# Altium PCB LKS_Motor_0313.PcbDoc (part 1 of 4) (continued)
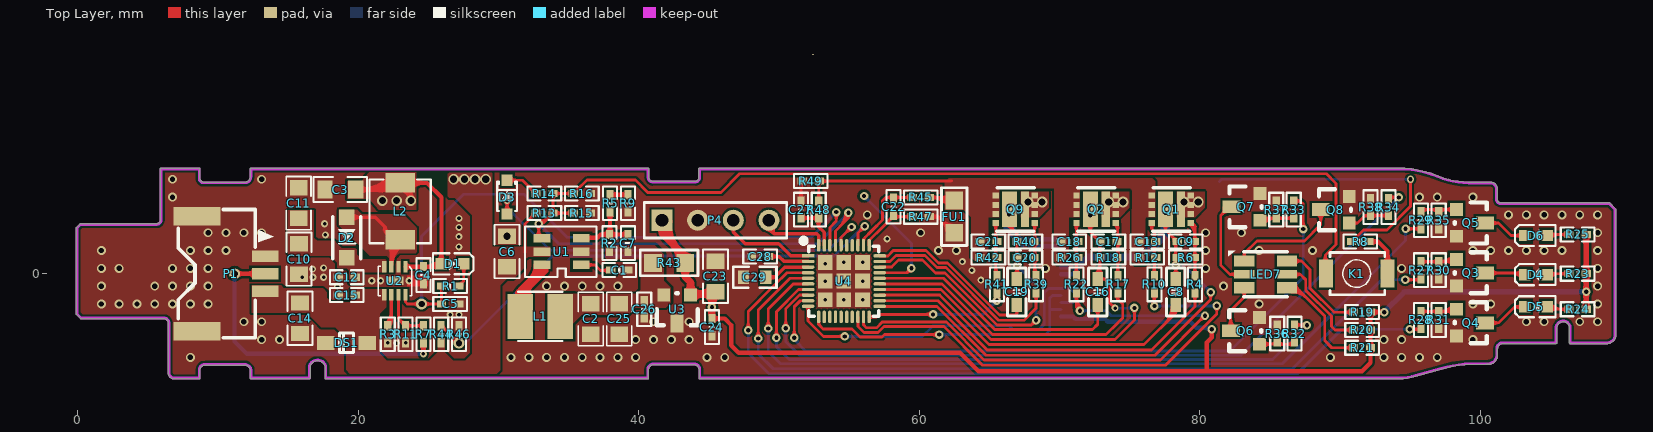
[diagram p0: Top Layer view]
## Nets (pads, with @x,y where several pads share a name; then routed paths per layer and width w, separated by ;. In a path a pad name is that pad's centre, name@x,y a point inside that pad or via, vN(x,y) a via of type N, cw(c..) or ccw(c..) an arc to the next point about the centre after c; other vN are vias at no path point) (continued)
3.3V: C23.2 C24.1 P3.12 P4.1 R19.2 R20.2 R21.2 R23.2 R24.2 R25.2 R43.2 U3.1 | length 156.9
  Top Layer w0.3: C24.1@45.212,-3.2 46.126,-3.2 46.584,-3.658 46.584,-5.105 47.117,-5.639 47.701,-5.639 ; 47.193,-5.639 47.701,-5.639 ; v2(80.848,-3.962) 80.848,-4.547 80.493,-4.902 80.493,-6.934 80.518,-6.96 ; v2(93.142,-2.743) R19.2@92.173,-2.743 R20.2@92.173,-4.013 R21.2@92.173,-5.283 92.173,-6.353 91.567,-6.96 80.518,-6.96 ; 47.701,-5.639 62.89,-5.639 64.211,-6.96 80.518,-6.96 ; v2@80.742,-4.068 cw(c80.486,-4.325) 80.848,-4.325 ; v2@80.742,-4.068 cw(c80.486,-4.325) 80.848,-4.325 ; v2@80.742,-4.068 cw(c80.486,-4.325) 80.848,-4.325 ; v2@80.742,-4.068 cw(c80.486,-4.325) 80.848,-4.325 ; 80.848,-4.325 cw(c81.21,-4.325) v2@80.954,-4.068 ; 80.848,-4.325 cw(c81.21,-4.325) v2@80.954,-4.068 ; 80.848,-4.325 cw(c81.21,-4.325) v2@80.954,-4.068 ; 80.848,-4.325 cw(c81.21,-4.325) v2@80.954,-4.068 ; 92.78,-2.743 cw(c92.78,-3.105) v2@93.036,-2.849 ; 92.78,-2.743 ccw(c92.78,-2.381) v2@93.036,-2.637 ; 92.78,-2.743 cw(c92.78,-3.105) v2@93.036,-2.849 ; 92.78,-2.743 ccw(c92.78,-2.381) v2@93.036,-2.637 ; 92.78,-2.743 cw(c92.78,-3.105) v2@93.036,-2.849 ; 92.78,-2.743 ccw(c92.78,-2.381) v2@93.036,-2.637 ; 92.78,-2.743 cw(c92.78,-3.105) v2@93.036,-2.849 ; 92.78,-2.743 ccw(c92.78,-2.381) v2@93.036,-2.637
  Top Layer w0.4: R24.2@107.544,-2.54 v2(107.544,-1.295) R23.2@107.544,0 R25.2@107.544,2.794
  Top Layer w0.5: U3.1@43.688,-1.524 43.688,-0.61 43.307,-0.229 R43.2@43.307,0.762 43.307,1.219 41.656,2.87 ; U3.1@43.993,-1.448 C23.2@45.796,-1.448 ; C24.1@45.212,-2.946 v2(45.212,-2.388) 45.212,-1.528 C23.2@45.466,-1.274 ; P4.1@41.377,3.395 cw(c41.023,2.87) 41.656,2.87 ; P4.1@41.377,3.395 cw(c41.023,2.87) 41.656,2.87 ; P4.1@41.377,3.395 cw(c41.023,2.87) 41.656,2.87 ; P4.1@41.377,3.395 cw(c41.023,2.87) 41.656,2.87 ; P4.1@41.377,3.395 cw(c41.023,2.87) 41.656,2.87 ; P4.1@41.377,3.395 cw(c41.023,2.87) 41.656,2.87 ; P4.1@41.377,3.395 cw(c41.023,2.87) 41.656,2.87 ; P4.1@41.377,3.395 cw(c41.023,2.87) 41.656,2.87 ; 41.656,2.87 cw(c42.289,2.87) P4.1@41.935,3.395 ; 41.656,2.87 cw(c42.289,2.87) P4.1@41.935,3.395 ; 41.656,2.87 cw(c42.289,2.87) P4.1@41.935,3.395 ; 41.656,2.87 cw(c42.289,2.87) P4.1@41.935,3.395 ; 41.656,2.87 cw(c42.289,2.87) P4.1@41.935,3.395 ; 41.656,2.87 cw(c42.289,2.87) P4.1@41.935,3.395 ; 41.656,2.87 cw(c42.289,2.87) P4.1@41.935,3.395 ; 41.656,2.87 cw(c42.289,2.87) P4.1@41.935,3.395 ; 41.656,2.87 P4.1@41.656,3.81 ; P4.1@41.656,3.81 ccw(c43.308,3.577) 42.128,2.398 ; P4.1@41.656,3.81 ccw(c43.308,3.577) 42.128,2.398 ; P4.1@41.656,3.81 ccw(c43.308,3.577) 42.128,2.398 ; P4.1@41.656,3.81 ccw(c43.308,3.577) 42.128,2.398 ; P4.1@42.151,3.74 ccw(c44.55,3.402) 42.837,1.689 ; P4.1@42.151,3.74 ccw(c44.55,3.402) 42.837,1.689 ; P4.1@42.151,3.74 ccw(c44.55,3.402) 42.837,1.689 ; P4.1@42.151,3.74 ccw(c44.55,3.402) 42.837,1.689 ; 42.326,2.2 cw(c40.889,0.762) R43.2@42.922,0.762 ; 42.326,2.2 cw(c40.889,0.762) R43.2@42.922,0.762 ; 42.326,2.2 cw(c40.889,0.762) R43.2@42.922,0.762 ; 42.326,2.2 cw(c40.889,0.762) R43.2@42.922,0.762 ; R43.2@43.035,0.49 cw(c42.378,-0.167) 43.307,-0.167 ; R43.2@43.035,0.49 cw(c42.378,-0.167) 43.307,-0.167 ; R43.2@43.035,0.49 cw(c42.378,-0.167) 43.307,-0.167 ; R43.2@43.035,0.49 cw(c42.378,-0.167) 43.307,-0.167 ; 43.307,-0.167 cw(c44.236,-0.167) R43.2@43.579,0.49 ; 43.307,-0.167 cw(c44.236,-0.167) R43.2@43.579,0.49 ; 43.307,-0.167 cw(c44.236,-0.167) R43.2@43.579,0.49 ; 43.307,-0.167 cw(c44.236,-0.167) R43.2@43.579,0.49 ; U3.1@43.541,-1.377 ccw(c43.188,-1.024) 43.688,-1.024 ; U3.1@43.541,-1.377 ccw(c43.188,-1.024) 43.688,-1.024 ; U3.1@43.541,-1.377 ccw(c43.188,-1.024) 43.688,-1.024 ; U3.1@43.541,-1.377 ccw(c43.188,-1.024) 43.688,-1.024 ; 43.688,-1.024 ccw(c44.188,-1.024) U3.1@43.835,-1.377 ; 43.688,-1.024 ccw(c44.188,-1.024) U3.1@43.835,-1.377 ; 43.688,-1.024 ccw(c44.188,-1.024) U3.1@43.835,-1.377 ; 43.688,-1.024 ccw(c44.188,-1.024) U3.1@43.835,-1.377 ; U3.1@43.835,-1.671 cw(c44.372,-2.208) 44.372,-1.448 ; U3.1@43.835,-1.671 cw(c44.372,-2.208) 44.372,-1.448 ; U3.1@43.835,-1.671 cw(c44.372,-2.208) 44.372,-1.448 ; U3.1@43.835,-1.671 cw(c44.372,-2.208) 44.372,-1.448 ; 44.238,-1.448 ccw(c44.238,-0.132) C23.2@45.169,-1.062 ; 44.238,-1.448 ccw(c44.238,-0.132) C23.2@45.169,-1.062 ; 44.238,-1.448 ccw(c44.238,-0.132) C23.2@45.169,-1.062 ; 44.238,-1.448 ccw(c44.238,-0.132) C23.2@45.169,-1.062 ; v2@45.212,-2.4 cw(c46.498,-2.4) C23.2@45.592,-1.487 ; v2@45.212,-2.4 cw(c46.498,-2.4) C23.2@45.592,-1.487 ; v2@45.212,-2.4 cw(c46.498,-2.4) C23.2@45.592,-1.487 ; v2@45.212,-2.4 cw(c46.498,-2.4) C23.2@45.592,-1.487
  Bottom Layer w0.3: P3.12@70.104,-3.048 70.942,-3.048 71.12,-3.226 73.228,-3.226 73.431,-3.429 79.324,-3.429 79.756,-3.861 80.747,-3.861 v2(80.848,-3.962) ; 80.241,-3.861 cw(c80.241,-4.57) v2@80.742,-4.068 ; 80.241,-3.861 cw(c80.241,-4.57) v2@80.742,-4.068 ; 80.241,-3.861 cw(c80.241,-4.57) v2@80.742,-4.068 ; 80.241,-3.861 cw(c80.241,-4.57) v2@80.742,-4.068
  Bottom Layer w0.4: v2(93.142,-2.743) 94.59,-1.295 v2(107.544,-1.295)
3RD: R28.2 U4.4 | length 72.7
  Top Layer w0.2: v2(47.803,-4.039) 47.803,-2.692 49.537,-0.958 49.549,-0.958 49.682,-0.826 49.682,-0.813 50.565,0.07 U4.4@52.07,0.07 ; v2(94.971,-3.962) R28.2@95.707,-3.962 ; v2@47.661,-3.897 ccw(c47.32,-3.556) 47.803,-3.556 ; v2@47.661,-3.897 ccw(c47.32,-3.556) 47.803,-3.556 ; v2@47.661,-3.897 ccw(c47.32,-3.556) 47.803,-3.556 ; v2@47.661,-3.897 ccw(c47.32,-3.556) 47.803,-3.556 ; 47.803,-3.556 ccw(c48.286,-3.556) v2@47.944,-3.897 ; 47.803,-3.556 ccw(c48.286,-3.556) v2@47.944,-3.897 ; 47.803,-3.556 ccw(c48.286,-3.556) v2@47.944,-3.897 ; 47.803,-3.556 ccw(c48.286,-3.556) v2@47.944,-3.897 ; v2@95.112,-4.104 cw(c95.453,-4.445) 95.453,-3.962 ; v2@95.112,-4.104 cw(c95.453,-4.445) 95.453,-3.962 ; v2@95.112,-4.104 cw(c95.453,-4.445) 95.453,-3.962 ; v2@95.112,-4.104 cw(c95.453,-4.445) 95.453,-3.962 ; v2@95.112,-3.821 ccw(c95.453,-3.48) 95.453,-3.962 ; v2@95.112,-3.821 ccw(c95.453,-3.48) 95.453,-3.962 ; v2@95.112,-3.821 ccw(c95.453,-3.48) 95.453,-3.962 ; v2@95.112,-3.821 ccw(c95.453,-3.48) 95.453,-3.962 ; 95.325,-3.962 cw(c95.325,-4.421) R28.2@95.649,-4.097 ; 95.325,-3.962 cw(c95.325,-4.421) R28.2@95.649,-4.097 ; 95.325,-3.962 cw(c95.325,-4.421) R28.2@95.649,-4.097 ; 95.325,-3.962 cw(c95.325,-4.421) R28.2@95.649,-4.097 ; 95.448,-3.962 ccw(c95.448,-3.677) R28.2@95.649,-3.879 ; 95.448,-3.962 ccw(c95.448,-3.677) R28.2@95.649,-3.879 ; 95.448,-3.962 ccw(c95.448,-3.677) R28.2@95.649,-3.879 ; 95.448,-3.962 ccw(c95.448,-3.677) R28.2@95.649,-3.879
  Bottom Layer w0.2: v2(47.803,-4.039) 47.803,-5.664 49.276,-7.137 86.944,-7.137 90.119,-3.962 v2(94.971,-3.962) ; v2@47.661,-4.18 cw(c47.32,-4.521) 47.803,-4.521 ; v2@47.661,-4.18 cw(c47.32,-4.521) 47.803,-4.521 ; v2@47.661,-4.18 cw(c47.32,-4.521) 47.803,-4.521 ; v2@47.661,-4.18 cw(c47.32,-4.521) 47.803,-4.521 ; 47.803,-4.521 cw(c48.286,-4.521) v2@47.944,-4.18 ; 47.803,-4.521 cw(c48.286,-4.521) v2@47.944,-4.18 ; 47.803,-4.521 cw(c48.286,-4.521) v2@47.944,-4.18 ; 47.803,-4.521 cw(c48.286,-4.521) v2@47.944,-4.18 ; 94.488,-3.962 cw(c94.488,-4.445) v2@94.829,-4.104 ; 94.488,-3.962 ccw(c94.488,-3.48) v2@94.829,-3.821 ; 94.488,-3.962 cw(c94.488,-4.445) v2@94.829,-4.104 ; 94.488,-3.962 ccw(c94.488,-3.48) v2@94.829,-3.821 ; 94.488,-3.962 cw(c94.488,-4.445) v2@94.829,-4.104 ; 94.488,-3.962 ccw(c94.488,-3.48) v2@94.829,-3.821 ; 94.488,-3.962 cw(c94.488,-4.445) v2@94.829,-4.104 ; 94.488,-3.962 ccw(c94.488,-3.48) v2@94.829,-3.821
BAT_ADC: R44.2 R46.1 U4.33 | length 52.6
  Top Layer w0.2: R44.2@25.908,-3.708 25.908,-3.785 26.062,-3.939 26.138,-3.939 v10@26.897,-4.697 ; 55.62,2.661 U4.33@55.62,2.02 55.62,2.89 v2(56.109,3.378) ; R44.2@25.908,-3.939 cw(c25.908,-4.494) 26.301,-4.101 ; R44.2@25.908,-3.939 cw(c25.908,-4.494) 26.301,-4.101 ; R44.2@25.908,-3.939 cw(c25.908,-4.494) 26.301,-4.101 ; R44.2@25.908,-3.939 cw(c25.908,-4.494) 26.301,-4.101 ; 26.655,-4.455 ccw(c27.178,-3.932) R46.1@27.178,-4.672 ; 26.655,-4.455 ccw(c27.178,-3.932) R46.1@27.178,-4.672 ; 26.655,-4.455 ccw(c27.178,-3.932) R46.1@27.178,-4.672 ; 26.655,-4.455 ccw(c27.178,-3.932) R46.1@27.178,-4.672 ; 26.698,-4.499 ccw(c27.178,-4.019) R46.1@27.178,-4.697 ; 26.698,-4.499 ccw(c27.178,-4.019) R46.1@27.178,-4.697 ; 26.698,-4.499 ccw(c27.178,-4.019) R46.1@27.178,-4.697 ; 26.698,-4.499 ccw(c27.178,-4.019) R46.1@27.178,-4.697 ; 26.716,-4.517 cw(c26.28,-4.953) v10@26.897,-4.953 ; 26.716,-4.517 cw(c26.28,-4.953) v10@26.897,-4.953 ; 26.716,-4.517 cw(c26.28,-4.953) v10@26.897,-4.953 ; 26.716,-4.517 cw(c26.28,-4.953) v10@26.897,-4.953 ; 55.767,3.037 cw(c56.109,2.695) v2@56.109,3.178 ; 55.767,3.037 ccw(c55.426,3.378) v2@55.909,3.378 ; 55.767,3.037 cw(c56.109,2.695) v2@56.109,3.178 ; 55.767,3.037 ccw(c55.426,3.378) v2@55.909,3.378 ; 55.767,3.037 cw(c56.109,2.695) v2@56.109,3.178 ; 55.767,3.037 ccw(c55.426,3.378) v2@55.909,3.378 ; 55.767,3.037 cw(c56.109,2.695) v2@56.109,3.178 ; 55.767,3.037 ccw(c55.426,3.378) v2@55.909,3.378
  Bottom Layer w0.2: v10(27.178,-4.953) 27.233,-4.898 27.686,-4.898 ; v2@55.971,3.316 v2@56.07,3.416 ; v10@27.387,-4.765 ccw(c27.686,-4.495) 27.686,-4.898 ; v10@27.387,-4.765 ccw(c27.686,-4.495) 27.686,-4.898 ; v10@27.387,-4.765 ccw(c27.686,-4.495) 27.686,-4.898 ; v10@27.387,-4.765 ccw(c27.686,-4.495) 27.686,-4.898 ; v10@27.437,-5.062 cw(c27.686,-5.168) 27.686,-4.898 ; v10@27.437,-5.062 cw(c27.686,-5.168) 27.686,-4.898 ; v10@27.437,-5.062 cw(c27.686,-5.168) 27.686,-4.898 ; v10@27.437,-5.062 cw(c27.686,-5.168) 27.686,-4.898 ; 27.686,-4.898 33.853,1.27 53.924,1.27 55.821,3.167 ; 55.637,2.983 cw(c56.109,2.511) v2@56.109,3.178 ; 55.637,2.983 cw(c56.109,2.511) v2@56.109,3.178 ; 55.637,2.983 cw(c56.109,2.511) v2@56.109,3.178 ; 55.637,2.983 cw(c56.109,2.511) v2@56.109,3.178 ; 55.821,3.167 ccw(c55.61,3.378) v2@55.909,3.378 ; 55.821,3.167 ccw(c55.61,3.378) v2@55.909,3.378 ; 55.821,3.167 ccw(c55.61,3.378) v2@55.909,3.378 ; 55.821,3.167 ccw(c55.61,3.378) v2@55.909,3.378
BLUE: R32.2 U4.7 | length 60
  Top Layer w0.2: v2(49.809,-4.572) 49.809,-2.718 51.397,-1.13 U4.7@52.07,-1.13 ; R32.2@86.741,-3.658 v2@87.605,-3.658 ; v2@49.668,-4.431 ccw(c49.327,-4.089) 49.809,-4.089 ; v2@49.668,-4.431 ccw(c49.327,-4.089) 49.809,-4.089 ; v2@49.668,-4.431 ccw(c49.327,-4.089) 49.809,-4.089 ; v2@49.668,-4.431 ccw(c49.327,-4.089) 49.809,-4.089 ; 49.809,-4.089 ccw(c50.292,-4.089) v2@49.951,-4.431 ; 49.809,-4.089 ccw(c50.292,-4.089) v2@49.951,-4.431 ; 49.809,-4.089 ccw(c50.292,-4.089) v2@49.951,-4.431 ; 49.809,-4.089 ccw(c50.292,-4.089) v2@49.951,-4.431 ; R32.2@86.85,-3.766 cw(c87.113,-4.029) 87.113,-3.658 ; R32.2@86.85,-3.766 cw(c87.113,-4.029) 87.113,-3.658 ; R32.2@86.85,-3.766 cw(c87.113,-4.029) 87.113,-3.658 ; R32.2@86.85,-3.766 cw(c87.113,-4.029) 87.113,-3.658 ; R32.2@86.85,-3.549 ccw(c87.113,-3.286) 87.113,-3.658 ; R32.2@86.85,-3.549 ccw(c87.113,-3.286) 87.113,-3.658 ; R32.2@86.85,-3.549 ccw(c87.113,-3.286) 87.113,-3.658 ; R32.2@86.85,-3.549 ccw(c87.113,-3.286) 87.113,-3.658 ; 87.086,-3.658 cw(c87.086,-4.227) v2@87.489,-3.824 ; 87.086,-3.658 cw(c87.086,-4.227) v2@87.489,-3.824 ; 87.086,-3.658 cw(c87.086,-4.227) v2@87.489,-3.824 ; 87.086,-3.658 cw(c87.086,-4.227) v2@87.489,-3.824 ; 87.208,-3.658 ccw(c87.208,-3.261) v2@87.489,-3.542 ; 87.208,-3.658 ccw(c87.208,-3.261) v2@87.489,-3.542 ; 87.208,-3.658 ccw(c87.208,-3.261) v2@87.489,-3.542 ; 87.208,-3.658 ccw(c87.208,-3.261) v2@87.489,-3.542
  Bottom Layer w0.2: v2(49.809,-4.572) 49.809,-5.207 50.724,-6.121 85.192,-6.121 v2(87.63,-3.683) ; v2@49.668,-4.713 cw(c49.327,-5.055) 49.809,-5.055 ; v2@49.668,-4.713 cw(c49.327,-5.055) 49.809,-5.055 ; v2@49.668,-4.713 cw(c49.327,-5.055) 49.809,-5.055 ; v2@49.668,-4.713 cw(c49.327,-5.055) 49.809,-5.055 ; 49.809,-5.055 cw(c50.292,-5.055) v2@49.951,-4.713 ; 49.809,-5.055 cw(c50.292,-5.055) v2@49.951,-4.713 ; 49.809,-5.055 cw(c50.292,-5.055) v2@49.951,-4.713 ; 49.809,-5.055 cw(c50.292,-5.055) v2@49.951,-4.713 ; 87.289,-4.024 cw(c87.63,-4.366) v2@87.63,-3.883 ; 87.289,-4.024 ccw(c86.947,-3.683) v2@87.43,-3.683 ; 87.289,-4.024 cw(c87.63,-4.366) v2@87.63,-3.883 ; 87.289,-4.024 ccw(c86.947,-3.683) v2@87.43,-3.683 ; 87.289,-4.024 cw(c87.63,-4.366) v2@87.63,-3.883 ; 87.289,-4.024 ccw(c86.947,-3.683) v2@87.43,-3.683 ; 87.289,-4.024 cw(c87.63,-4.366) v2@87.63,-3.883 ; 87.289,-4.024 ccw(c86.947,-3.683) v2@87.43,-3.683
BUTTON: K1.2 R13.2 R14.2 R15.2 R16.1 U1.4 U4.37 | length 146.6
  Top Layer w0.2: U1.4@33.093,2.525 33.068,2.525 32.868,2.725 v2(32.868,3.556) ; R15.2@35.331,4.318 R13.2@33.884,4.318 ; U4.37@54.02,2.02 54.02,2.565 ; 54.02,2.839 54.02,2.565 ; K1.2@88.951,0.035 88.951,1.321 ; U1.4@32.652,2.666 ccw(c32.131,3.187) 32.868,3.187 ; U1.4@32.652,2.666 ccw(c32.131,3.187) 32.868,3.187 ; U1.4@32.652,2.666 ccw(c32.131,3.187) 32.868,3.187 ; U1.4@32.652,2.666 ccw(c32.131,3.187) 32.868,3.187 ; v2@32.726,3.415 cw(c32.385,3.073) 32.868,3.073 ; v2@32.726,3.415 cw(c32.385,3.073) 32.868,3.073 ; v2@32.726,3.415 cw(c32.385,3.073) 32.868,3.073 ; v2@32.726,3.415 cw(c32.385,3.073) 32.868,3.073 ; 32.868,2.828 ccw(c33.096,2.828) U1.4@32.935,2.666 ; 32.868,2.828 ccw(c33.096,2.828) U1.4@32.935,2.666 ; 32.868,2.828 ccw(c33.096,2.828) U1.4@32.935,2.666 ; 32.868,2.828 ccw(c33.096,2.828) U1.4@32.935,2.666 ; 32.868,3.073 cw(c33.35,3.073) v2@33.009,3.415 ; 32.868,3.073 cw(c33.35,3.073) v2@33.009,3.415 ; 32.868,3.073 cw(c33.35,3.073) v2@33.009,3.415 ; 32.868,3.073 cw(c33.35,3.073) v2@33.009,3.415 ; v2(32.868,3.556) ccw(c32.868,4.169) 33.301,3.736 ; v2(32.868,3.556) ccw(c32.868,4.169) 33.301,3.736 ; v2(32.868,3.556) ccw(c32.868,4.169) 33.301,3.736 ; v2(32.868,3.556) ccw(c32.868,4.169) 33.301,3.736 ; v2(32.868,3.556) 32.944,3.633 33.198,3.633 ; v2@32.868,3.756 ccw(c32.868,4.852) R13.2@33.643,4.077 ; v2@32.868,3.756 ccw(c32.868,4.852) R13.2@33.643,4.077 ; v2@32.868,3.756 ccw(c32.868,4.852) R13.2@33.643,4.077 ; v2@32.868,3.756 ccw(c32.868,4.852) R13.2@33.643,4.077 ; v2@33.009,3.697 ccw(c33.166,3.854) 33.166,3.633 ; v2@33.009,3.697 ccw(c33.166,3.854) 33.166,3.633 ; v2@33.009,3.697 ccw(c33.166,3.854) 33.166,3.633 ; v2@33.009,3.697 ccw(c33.166,3.854) 33.166,3.633 ; v2@33.064,3.521 cw(c33.198,3.497) 33.198,3.633 ; v2@33.064,3.521 cw(c33.198,3.497) 33.198,3.633 ; v2@33.064,3.521 cw(c33.198,3.497) 33.198,3.633 ; v2@33.064,3.521 cw(c33.198,3.497) 33.198,3.633 ; 33.198,3.633 33.653,4.088 33.653,4.164 33.807,4.318 R13.2@33.884,4.318 ; 33.491,3.925 ccw(c33.098,4.318) R13.2@33.653,4.318 ; 33.491,3.925 ccw(c33.098,4.318) R13.2@33.653,4.318 ; 33.491,3.925 ccw(c33.098,4.318) R13.2@33.653,4.318 ; 33.491,3.925 ccw(c33.098,4.318) R13.2@33.653,4.318 ; R13.2@33.775,4.427 ccw(c33.512,4.69) 33.884,4.69 ; R13.2@33.775,4.427 ccw(c33.512,4.69) 33.884,4.69 ; R13.2@33.775,4.427 ccw(c33.512,4.69) 33.884,4.69 ; R13.2@33.775,4.427 ccw(c33.512,4.69) 33.884,4.69 ; R14.2@33.775,5.606 cw(c33.512,5.343) 33.884,5.343 ; R14.2@33.775,5.606 cw(c33.512,5.343) 33.884,5.343 ; R14.2@33.775,5.606 cw(c33.512,5.343) 33.884,5.343 ; R14.2@33.775,5.606 cw(c33.512,5.343) 33.884,5.343 ; R13.2@33.884,4.318 R14.2@33.884,5.715 R16.1@35.331,5.715 35.408,5.715 35.562,5.869 35.562,5.945 36.297,6.68 39.751,6.68 40.64,5.791 45.847,5.791 47.176,7.121 89.019,7.121 89.713,6.427 89.713,2.083 88.951,1.321 ; 33.884,4.69 ccw(c34.255,4.69) R13.2@33.992,4.427 ; 33.884,4.69 ccw(c34.255,4.69) R13.2@33.992,4.427 ; 33.884,4.69 ccw(c34.255,4.69) R13.2@33.992,4.427 ; 33.884,4.69 ccw(c34.255,4.69) R13.2@33.992,4.427 ; 33.884,5.343 cw(c34.255,5.343) R14.2@33.992,5.606 ; 33.884,5.343 cw(c34.255,5.343) R14.2@33.992,5.606 ; 33.884,5.343 cw(c34.255,5.343) R14.2@33.992,5.606 ; 33.884,5.343 cw(c34.255,5.343) R14.2@33.992,5.606 ; R13.2@34.069,4.209 cw(c34.332,3.946) 34.332,4.318 ; R13.2@34.069,4.209 cw(c34.332,3.946) 34.332,4.318 ; R13.2@34.069,4.209 cw(c34.332,3.946) 34.332,4.318 ; R13.2@34.069,4.209 cw(c34.332,3.946) 34.332,4.318 ; R13.2@34.069,4.427 ccw(c34.332,4.69) 34.332,4.318 ; R13.2@34.069,4.427 ccw(c34.332,4.69) 34.332,4.318 ; R13.2@34.069,4.427 ccw(c34.332,4.69) 34.332,4.318 ; R13.2@34.069,4.427 ccw(c34.332,4.69) 34.332,4.318 ; R14.2@34.069,5.606 cw(c34.332,5.343) 34.332,5.715 ; R14.2@34.069,5.606 cw(c34.332,5.343) 34.332,5.715 ; R14.2@34.069,5.606 cw(c34.332,5.343) 34.332,5.715 ; R14.2@34.069,5.606 cw(c34.332,5.343) 34.332,5.715 ; R14.2@34.069,5.824 ccw(c34.332,6.087) 34.332,5.715 ; R14.2@34.069,5.824 ccw(c34.332,6.087) 34.332,5.715 ; R14.2@34.069,5.824 ccw(c34.332,6.087) 34.332,5.715 ; R14.2@34.069,5.824 ccw(c34.332,6.087) 34.332,5.715 ; 34.883,4.318 cw(c34.883,3.946) R15.2@35.146,4.209 ; 34.883,4.318 ccw(c34.883,4.69) R15.2@35.146,4.427 ; 34.883,4.318 cw(c34.883,3.946) R15.2@35.146,4.209 ; 34.883,4.318 ccw(c34.883,4.69) R15.2@35.146,4.427 ; 34.883,4.318 cw(c34.883,3.946) R15.2@35.146,4.209 ; 34.883,4.318 ccw(c34.883,4.69) R15.2@35.146,4.427 ; 34.883,4.318 cw(c34.883,3.946) R15.2@35.146,4.209 ; 34.883,4.318 ccw(c34.883,4.69) R15.2@35.146,4.427 ; 34.883,5.715 cw(c34.883,5.343) R16.1@35.146,5.606 ; 34.883,5.715 ccw(c34.883,6.087) R16.1@35.146,5.824 ; 34.883,5.715 cw(c34.883,5.343) R16.1@35.146,5.606 ; 34.883,5.715 ccw(c34.883,6.087) R16.1@35.146,5.824 ; 34.883,5.715 cw(c34.883,5.343) R16.1@35.146,5.606 ; 34.883,5.715 ccw(c34.883,6.087) R16.1@35.146,5.824 ; 34.883,5.715 cw(c34.883,5.343) R16.1@35.146,5.606 ; 34.883,5.715 ccw(c34.883,6.087) R16.1@35.146,5.824 ; R16.1@35.562,5.715 cw(c36.117,5.715) 35.724,6.108 ; R16.1@35.562,5.715 cw(c36.117,5.715) 35.724,6.108 ; R16.1@35.562,5.715 cw(c36.117,5.715) 35.724,6.108 ; R16.1@35.562,5.715 cw(c36.117,5.715) 35.724,6.108 ; 54.02,2.565 54.02,3.042 54.94,3.962 ; 54.329,3.352 ccw(c53.338,4.343) v2@54.74,4.343 ; 54.329,3.352 ccw(c53.338,4.343) v2@54.74,4.343 ; 54.329,3.352 ccw(c53.338,4.343) v2@54.74,4.343 ; 54.329,3.352 ccw(c53.338,4.343) v2@54.74,4.343 ; 54.671,3.693 ccw(c54.02,4.343) v2(54.94,4.343) ; 54.671,3.693 ccw(c54.02,4.343) v2(54.94,4.343) ; 54.671,3.693 ccw(c54.02,4.343) v2(54.94,4.343) ; 54.671,3.693 ccw(c54.02,4.343) v2(54.94,4.343) ; v2@54.827,4.179 cw(c54.677,3.962) 54.94,3.962 ; v2@54.827,4.179 cw(c54.677,3.962) 54.94,3.962 ; v2@54.827,4.179 cw(c54.677,3.962) 54.94,3.962 ; v2@54.827,4.179 cw(c54.677,3.962) 54.94,3.962 ; 54.94,3.962 cw(c55.203,3.962) v2@55.054,4.179 ; 54.94,3.962 cw(c55.203,3.962) v2@55.054,4.179 ; 54.94,3.962 cw(c55.203,3.962) v2@55.054,4.179 ; 54.94,3.962 cw(c55.203,3.962) v2@55.054,4.179 ; 54.94,3.962 v2(54.94,4.343) ; K1.2@88.718,0.797 ccw(c88.245,1.321) 88.951,1.321 ; K1.2@88.718,0.797 ccw(c88.245,1.321) 88.951,1.321 ; K1.2@88.718,0.797 ccw(c88.245,1.321) 88.951,1.321 ; K1.2@88.718,0.797 ccw(c88.245,1.321) 88.951,1.321 ; 88.951,1.321 ccw(c89.542,1.321) K1.2@89.21,0.831 ; 88.951,1.321 ccw(c89.542,1.321) K1.2@89.21,0.831 ; 88.951,1.321 ccw(c89.542,1.321) K1.2@89.21,0.831 ; 88.951,1.321 ccw(c89.542,1.321) K1.2@89.21,0.831
  Bottom Layer w0.2: v2(32.868,3.556) 34.29,2.134 52.73,2.134 v2(54.94,4.343) ; v2@32.868,3.356 cw(c32.868,2.873) 33.209,3.215 ; v2@32.868,3.356 cw(c32.868,2.873) 33.209,3.215 ; v2@32.868,3.356 cw(c32.868,2.873) 33.209,3.215 ; v2@32.868,3.356 cw(c32.868,2.873) 33.209,3.215 ; v2@33.068,3.556 ccw(c33.55,3.556) 33.209,3.215 ; v2@33.068,3.556 ccw(c33.55,3.556) 33.209,3.215 ; v2@33.068,3.556 ccw(c33.55,3.556) 33.209,3.215 ; v2@33.068,3.556 ccw(c33.55,3.556) 33.209,3.215 ; 54.599,4.002 cw(c54.94,3.661) v2@54.94,4.143 ; 54.599,4.002 ccw(c54.257,4.343) v2@54.74,4.343 ; 54.599,4.002 cw(c54.94,3.661) v2@54.94,4.143 ; 54.599,4.002 ccw(c54.257,4.343) v2@54.74,4.343 ; 54.599,4.002 cw(c54.94,3.661) v2@54.94,4.143 ; 54.599,4.002 ccw(c54.257,4.343) v2@54.74,4.343 ; 54.599,4.002 cw(c54.94,3.661) v2@54.94,4.143 ; 54.599,4.002 ccw(c54.257,4.343) v2@54.74,4.343
CH_STAT: C5.2 R1.1 U2.8 U4.38 | length 67.5
  Top Layer w0.2: U2.8@23.356,-1.508 23.356,-2.02 23.495,-2.159 v10(24.511,-2.159) C5.2@25.933,-2.159 R1.1@25.933,-0.889 ; C5.2@25.825,-2.05 ccw(c25.562,-1.787) 25.933,-1.787 ccw(c26.305,-1.787) C5.2@26.042,-2.05 ; R1.1@25.825,-0.998 cw(c25.562,-1.261) 25.933,-1.261 cw(c26.305,-1.261) R1.1@26.042,-0.998 ; U4.38@53.62,2.02 53.62,2.515 ; 53.62,2.998 53.62,2.515 ; v2(54.077,4.394) 54.077,3.759 53.62,3.303 53.62,2.515 ; 23.833,-2.159 cw(c23.833,-2.837) v10@24.312,-2.358 ; 23.833,-2.159 ccw(c23.833,-1.481) v10@24.312,-1.96 ; 23.833,-2.159 cw(c23.833,-2.837) v10@24.312,-2.358 ; 23.833,-2.159 ccw(c23.833,-1.481) v10@24.312,-1.96 ; 23.833,-2.159 cw(c23.833,-2.837) v10@24.312,-2.358 ; 23.833,-2.159 ccw(c23.833,-1.481) v10@24.312,-1.96 ; 23.833,-2.159 cw(c23.833,-2.837) v10@24.312,-2.358 ; 23.833,-2.159 ccw(c23.833,-1.481) v10@24.312,-1.96 ; v10@24.71,-2.358 cw(c25.189,-2.837) 25.189,-2.159 ; v10@24.71,-2.358 cw(c25.189,-2.837) 25.189,-2.159 ; v10@24.71,-2.358 cw(c25.189,-2.837) 25.189,-2.159 ; v10@24.71,-2.358 cw(c25.189,-2.837) 25.189,-2.159 ; v10@24.71,-1.96 ccw(c25.189,-1.481) 25.189,-2.159 ; v10@24.71,-1.96 ccw(c25.189,-1.481) 25.189,-2.159 ; v10@24.71,-1.96 ccw(c25.189,-1.481) 25.189,-2.159 ; v10@24.71,-1.96 ccw(c25.189,-1.481) 25.189,-2.159 ; 25.485,-2.159 cw(c25.485,-2.531) C5.2@25.748,-2.268 ; 25.485,-2.159 ccw(c25.485,-1.787) C5.2@25.748,-2.05 ; 25.485,-2.159 cw(c25.485,-2.531) C5.2@25.748,-2.268 ; 25.485,-2.159 ccw(c25.485,-1.787) C5.2@25.748,-2.05 ; 25.485,-2.159 cw(c25.485,-2.531) C5.2@25.748,-2.268 ; 25.485,-2.159 ccw(c25.485,-1.787) C5.2@25.748,-2.05 ; 25.485,-2.159 cw(c25.485,-2.531) C5.2@25.748,-2.268 ; 25.485,-2.159 ccw(c25.485,-1.787) C5.2@25.748,-2.05 ; v2@53.935,4.253 cw(c53.594,3.911) 54.077,3.911 ; v2@53.935,4.253 cw(c53.594,3.911) 54.077,3.911 ; v2@53.935,4.253 cw(c53.594,3.911) 54.077,3.911 ; v2@53.935,4.253 cw(c53.594,3.911) 54.077,3.911 ; 54.077,3.911 cw(c54.559,3.911) v2@54.218,4.253 ; 54.077,3.911 cw(c54.559,3.911) v2@54.218,4.253 ; 54.077,3.911 cw(c54.559,3.911) v2@54.218,4.253 ; 54.077,3.911 cw(c54.559,3.911) v2@54.218,4.253
  Bottom Layer w0.2: v10(24.511,-2.159) 24.511,2.667 27.508,5.664 31.826,5.664 34.9,2.591 52.273,2.591 v2(54.077,4.394) ; v10@24.312,-1.96 ccw(c23.833,-1.481) 24.511,-1.481 ; v10@24.312,-1.96 ccw(c23.833,-1.481) 24.511,-1.481 ; v10@24.312,-1.96 ccw(c23.833,-1.481) 24.511,-1.481 ; v10@24.312,-1.96 ccw(c23.833,-1.481) 24.511,-1.481 ; 24.511,-1.481 ccw(c25.189,-1.481) v10@24.71,-1.96 ; 24.511,-1.481 ccw(c25.189,-1.481) v10@24.71,-1.96 ; 24.511,-1.481 ccw(c25.189,-1.481) v10@24.71,-1.96 ; 24.511,-1.481 ccw(c25.189,-1.481) v10@24.71,-1.96 ; 53.735,4.053 cw(c54.077,3.711) v2@54.077,4.194 ; 53.735,4.053 ccw(c53.394,4.394) v2@53.877,4.394 ; 53.735,4.053 cw(c54.077,3.711) v2@54.077,4.194 ; 53.735,4.053 ccw(c53.394,4.394) v2@53.877,4.394 ; 53.735,4.053 cw(c54.077,3.711) v2@54.077,4.194 ; 53.735,4.053 ccw(c53.394,4.394) v2@53.877,4.394 ; 53.735,4.053 cw(c54.077,3.711) v2@54.077,4.194 ; 53.735,4.053 ccw(c53.394,4.394) v2@53.877,4.394
DCDC_5V: C2.2 C7.2 C25.2 C26.1 L1.2 R2.1 R43.1 U3.2